# Altium PCB JS.Y1813.PW.V10.PcbDoc
Units mil, origin at the board's own origin, x right, y up, seen from the top; angles counter-clockwise.
Board outline 4024 x 3169.29 mil, 2 copper layers (Top Layer, Bottom Layer); 23 components, 14 nets, 71 pads, 10 vias.
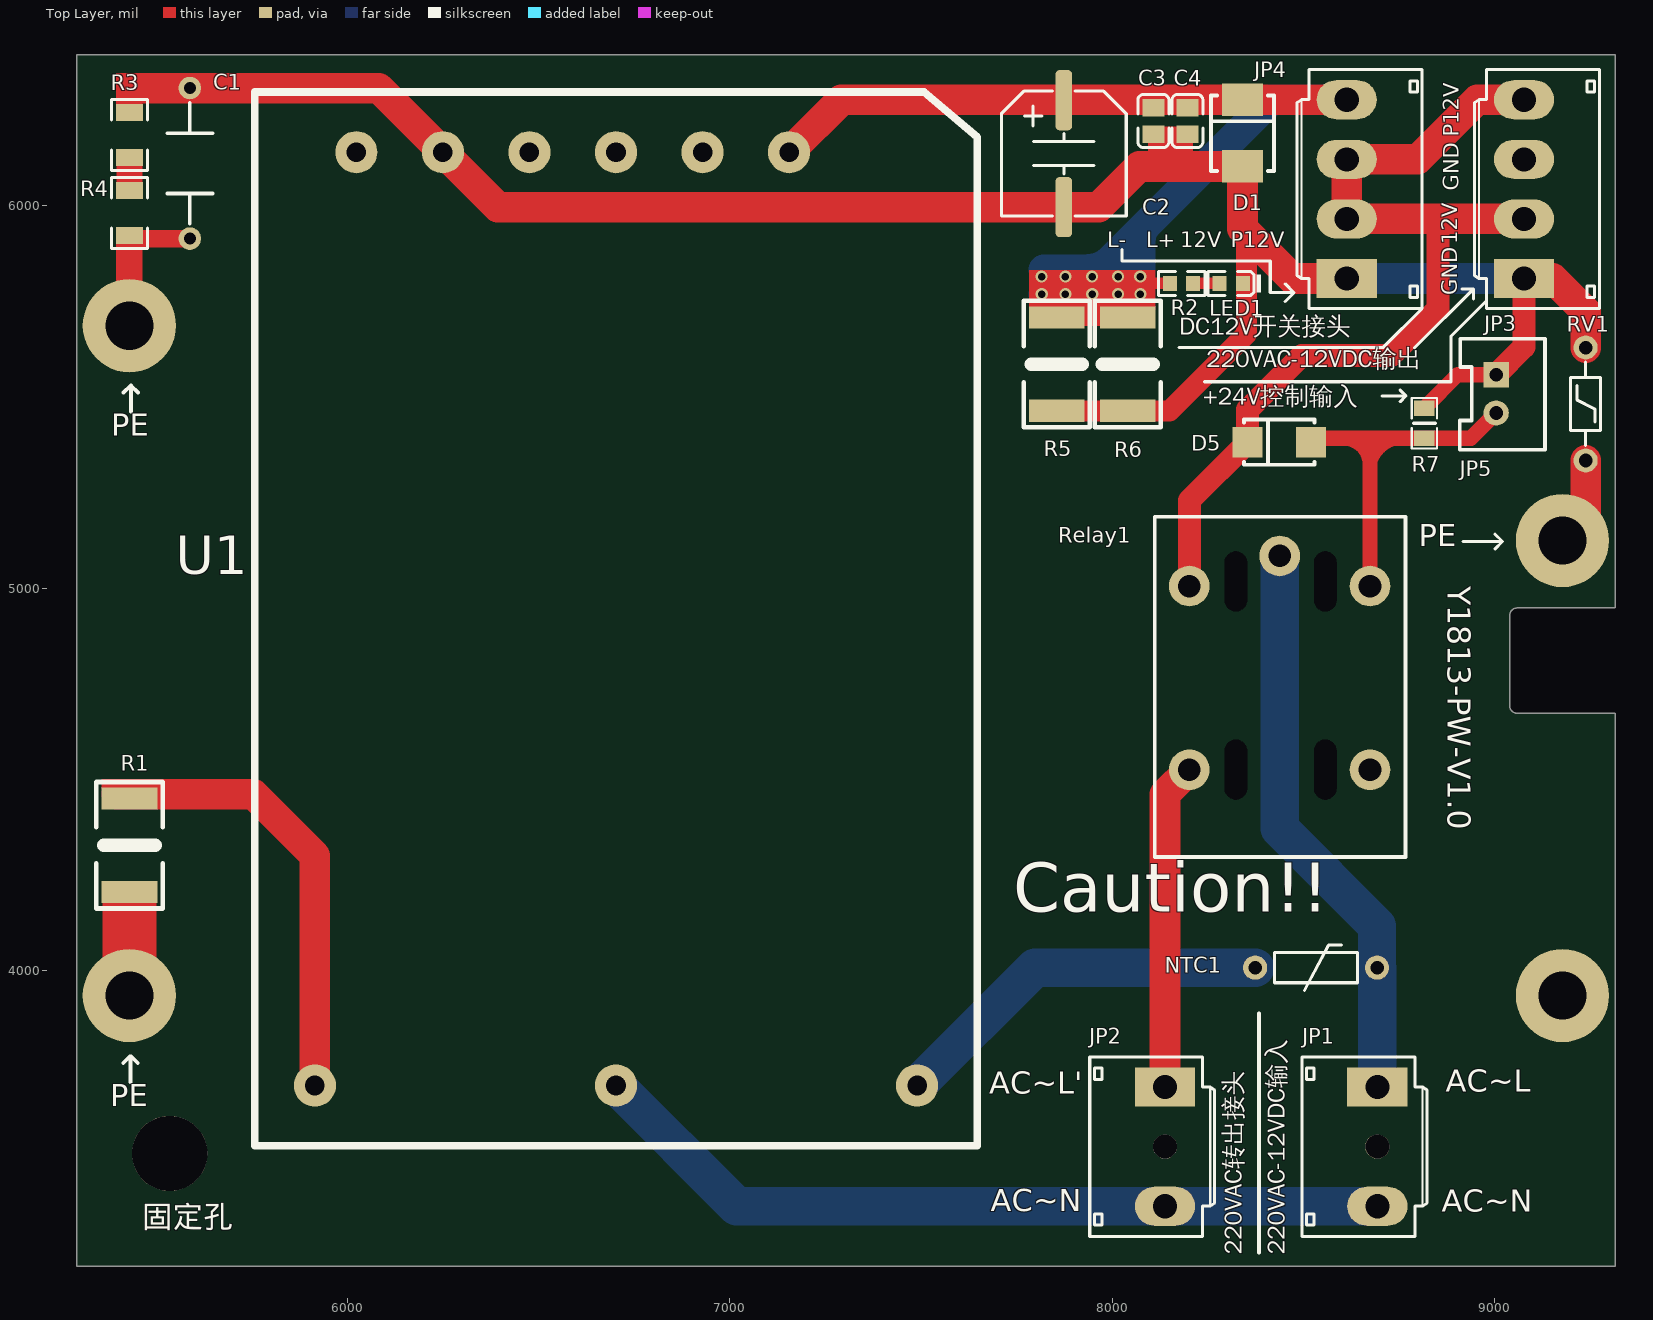
[diagram p0: Top Layer view]
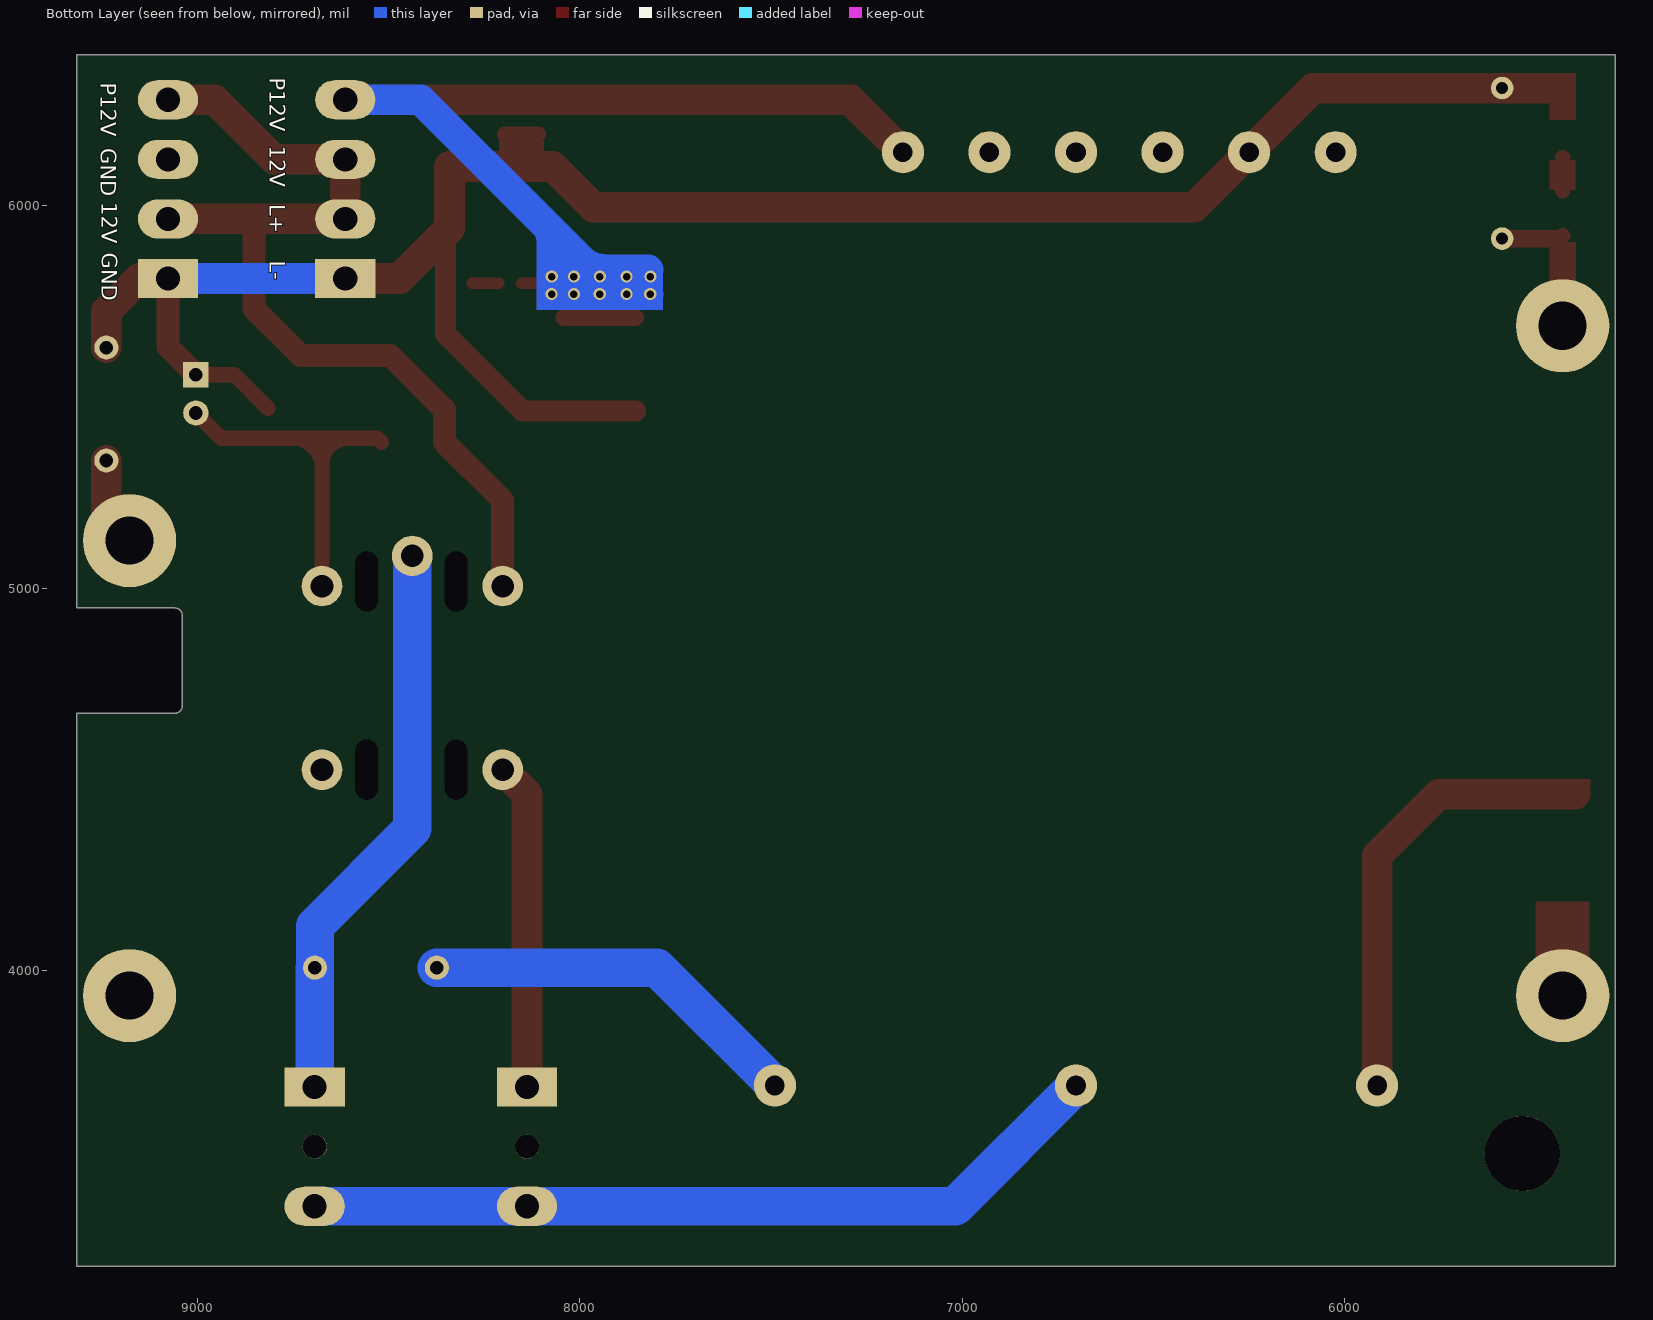
[diagram p1: Bottom Layer view, seen from below]

## Layer stack, top to bottom
Top Solder: solder mask 0.4, Solder Resist, Dk 3.5
Top Layer: signal copper 1.4
Dielectric 1: dielectric 12.6, FR-4, Dk 4.8
Bottom Layer: signal copper 1.4
Bottom Solder: solder mask 0.4, Solder Resist, Dk 3.5

## Board outline
5291.42,3226 5291.42,6395.29 9315.04,6395.29 9315.04,4948.44 9059.13,4948.44 ccw(c9059.13,4928.76) 9039.45,4928.76 9039.45,4692.54 ccw(c9059.13,4692.54) 9059.13,4672.85 9315.42,4672.85 9315.42,3226

## Design rules (kind name [scope] priority, off if disabled: settings)
Clearance [All] p1: gap=10
HoleSize [All] p1: absolutevalues=TRUE maxlimit=200 minlimit=1 maxpercent=80.000 minpercent=20.000
PolygonConnect [All] p1: connectstyle=Relief reliefconductorwidth=10 reliefentries=4 polygonreliefangle="90 Angle" airgapwidth=10
RoutingVias [All] p1: holewidth=28 width=50 viastyle="Through Hole" minholewidth=28 minwidth=50 maxholewidth=28 maxwidth=50
SilkToSilkClearance [All] p1: silktosilkclearance=4
SilkToSolderMaskClearance [IsPad] p1: minsilkscreentomaskgap=1 clearancetoexposedcopper=TRUE
SolderMaskExpansion [All] p1: expansion=4
Width [All] p1: maxlimit=100 minlimit=6 preferedwidth=10
27 further rules are at their usual default settings.

## Components (designator, comment, footprint, x,y, rotation, side; value= is the part's Value field where it differs from the comment)
C1 "220pF" RCC-DE1B3-ANGUI 5587.23,6111.28 r270 top
C2 "330uF ±20% 25V" RCC-AL-EC-8*10-TH 7873.02,6136.63 r90 top
C3 "1nF (102) 10% 50V" LC-0805_C 8107.42,6221.96 r90 top
C4 "100nF(104) 10% 50V" LC-0805_C 8196.42,6221.96 r270 top
D1 "SMBJ20A" LC-SMB(DO-214AA)_S1 8340.42,6189.99 r270 top
D5 "US1M" LC-SMA(DO-214AC)_S1 8436.51,5381.85 r0 top
JP1 "AC Input Connector" RCJ3.96-3CA-Isolate 8693.06,3695.37 r90 top
JP2 "AC Output Connector" RCJ3.96-3CA-Isolate 8137.79,3695.37 r90 top
JP3 "To Mtrl Connector" RCJ3.96-4CA 9076.85,5809.91 r270 top
JP4 "PowerSwitch Connector" RCJ3.96-4CA 8613.06,5809.91 r270 top
JP5 "PWR24V_CTRL_Interface" RCJ-XH2.54-2P 9003.81,5508.26 r90 top
LED1 "PWR_LED" LC-0603_LED_S1 8311,5797 r180 top
NTC1 "10D-9" RCR-NTC-10d-9 8532.98,4007.48 r180 top
R1 "NC" RCR2512TH#1 5429.4,4205.63 r90 top
R2 "10KΩ (1002) ±1%" LC-0603_R 8181.31,5797 r0 top
R3 "1.2MΩ (1204) ±1%" LC-1206_R 5428.98,6185 r270 top
R4 "1.2MΩ (1204) ±1%" LC-1206_R 5428.98,5981 r270 top
R5 "470Ω±1%" RCR2512TH#2 7854.42,5434.02 r90 top
R6 "470Ω±1%" RCR2512TH#3 8060.42,5464.02 r90 top
R7 "NC" RCR0805TH 8815.94,5392.26 r90 top
Relay1 "G5LE-14-DC12V" RCRELAY-G5LE-14 8437.73,5084.37 r270 top
RV1 "10D180K" RCRV-10DXXXK 9237.88,5481.67 r90 top
U1 "LH25-10B12" RCPM-LH20-25-MORNSUN 6701.85,4919.78 r90 top

## Footprints (in the part's own frame and the unit in brackets; to place one, negate y for a bottom-side part, rotate by r counter-clockwise, add the part's x,y. Pads: shape width x height; smd on the part's side, far side on the other; paste and mask are expansions set on the pad)
LC-0603_LED_S1 [mm]
  rect 0.93x0.98 smd: A(0.77,0) K(-0.77,0)
  silkscreen extent -1.98,-0.79 1.54,0.79, body extent -0.8,-0.4 0.8,0.4, height 0.6
LC-0603_R [mm]
  rect 0.93x0.98 smd: 1(-0.77,0) 2(0.77,0)
  silkscreen extent -1.53,-0.79 1.54,0.79, body extent -0.85,-0.4 0.85,0.4, height 0.56
LC-0805_C [mm]
  rect 1.16x1.47 smd: 1(-0.89,0) 2(0.89,0)
  silkscreen extent -1.77,-1.04 1.77,1.04, body extent -1,-0.62 1,0.63, height 0.77
LC-1206_R [mm]
  rect 1.13x1.8 smd: 1(-1.49,0) 2(1.49,0)
  silkscreen extent -2.36,-1.2 2.35,1.2, body extent -1.7,-0.86 1.65,0.87, height 0.85
LC-SMA(DO-214AC)_S1 [mm]
  rect 2x2 smd: 1(2.1,0) 2(-2.1,0)
  silkscreen extent -2.35,-1.5 2.35,1.5
LC-SMB(DO-214AA)_S1 [mil]
  rect 85x107.99 smd: 1(87.01,0) 2(-87.01,0)
  silkscreen extent -98,-83 98,83
RCC-AL-EC-8*10-TH [mm] "贴片铝电解电容 D8mm*H10mm"
  rrect50% 4x1.1 smd: 1(3.55,0) 2(-3.55,0)
  silkscreen extent -4.15,-4.15 4.15,4.15, body extent -4.15,-4.15 4.15,4.15, height 10
RCC-DE1B3-ANGUI [mm] "安规电容 Murata"
  round 1.5 hole 0.8: 1(-5,0) 2(5,0)
  silkscreen extent -4,-1.5 4,1.5, body extent -4,-1.52 4,1.55, height 8
RCJ3.96-3CA-Isolate [mm]
  rect 2.6x4 hole 1.6: 1(0,0)
  round 1.6 hole 1.6 unplated: 2(-3.96,0)
  oval 2.6x4 hole 1.6: 3(-7.92,0)
  silkscreen extent -9.92,-3.3 2,5
RCJ3.96-4CA [mm]
  rect 2.6x4 hole 1.6: 1(0,0)
  oval 2.6x4 hole 1.6: 2(-3.96,0) 3(-7.92,0) 4(-11.88,0)
  silkscreen extent -13.88,-3.3 2,5
RCJ-XH2.54-2P [mil]
  rect 66x66 hole 36: 1(50,0)
  round 66 hole 36: 2(-50,0)
  silkscreen extent -146,-128 144,95, body extent -149,-136 147,92, height 118
RCPM-LH20-25-MORNSUN [mm]
  round 2.8 hole 1.3: 1(-31,20) 2(-31,0) 3(-31,-20) 4(31,11.5) 5(31,5.75) 6(31,0) 7(31,-5.75) 8(31,-11.5) Trim(31,17.25)
  silkscreen extent -35,-24 35,24, body extent -35,-24 35,24, height 23.5
RCR0805TH [mil]
  rect 40x54 smd: 1(0,0) 2(78.74,0)
  silkscreen extent -27,-33 106,33
RCR2512TH#1 [mil]
  rect 58x146 smd: 1(0,0) 2(244.09,0)
  silkscreen extent -43,-87 287,87
RCR2512TH#2 [mil]
  rect 58x146 smd: 1(30,0) 2(274.09,0)
  silkscreen extent -13,-87 317,87
RCR2512TH#3 [mil]
  rect 58x146 smd: 1(0,20) 2(244.09,20)
  silkscreen extent -43,-67 287,107
RCR-NTC-10d-9 [mm] "NTC D9 Series"
  round 1.6 hole 0.9: 1(-4.05,0) 2(4.05,0)
  silkscreen extent -2.75,-1.5 2.75,1.52, body extent -4.95,-1.73 4.95,1.75, height 5.2
RCRELAY-G5LE-14 [mm] "Ormon Relay"
  round 2.7 hole 1.5: 1(0,0) 2(2,-6) 3(14.2,-6) 4(14.2,6) 5(2,6)
  silkscreen extent -2.6,-8.3 20,8.36, body extent -2.61,-8.3 20,8.35, height 18.5
RCRV-10DXXXK [mm] "Metal Oxide Varistors 10D Series(RUILON(瑞隆源)"
  round 1.6 hole 0.9: 1(-3.75,0) 2(3.75,0)
  silkscreen extent -2.76,-1 2.78,1

## Part data
C1: library part Cap_Nonpolar, "无极性电容"
C2: library part Cap_polar, "有极性电容"
C3: library part "0805 1nF (102) 10% 50V", "贴片电容"
C4: library part "0805 100nF(104) 10% 50V", "贴片电容"
D1: library part DiodeA, "Zener,Tvs"
D5: library part "SMA(DO-214AC) US1M", "二极管"
JP1 JP2: library part JCJ-1-3, "3 Pin 接插件"
JP3 JP4: library part "Header 4", "Header, 4-Pin"
JP5: library part "Header 2", "Header, 2-Pin"
LED1: library part LEDA
NTC1: library part NTC, "NTC 浪涌抑制"
R1: library part Res_Single_Lead
R2 R7: library part "0603 10KΩ (1002) 1%", "贴片电阻"
R3 R4 R5 R6: library part "1206 1.2MΩ (1204) 1%", "贴片电阻"
Relay1: library part G5LE, "Relay"
RV1: library part RV, "压敏电阻 浪涌抑制"
U1: library part LH20(25), "Mornsun 20(25)W AC-DC模块电源"

## Free pads (board coordinates)
  round 244.09 hole 125.98: 0(5429.21,3934.66) 0(5429.21,5686.63) 0(9177.25,3934.66) 0(9177.25,5124.66)
  round 196.85 hole 196.85 unplated: 0(5534.57,3521.65)
  round 0 hole 59.06 slot 157.48 at 90 deg: 0(8322.98,4525.31) 0(8322.98,5018) 0(8556.98,4525.31) 0(8556.98,5018)

## Via types
v1: diameter 31.5, hole 19.68, Top Layer to Bottom Layer, tented both sides, 10 vias

## Nets (pads, with @x,y where several pads share a name; then routed paths per layer and width w, separated by ;. In a path a pad name is that pad's centre, name@x,y a point inside that pad or via, vN(x,y) a via of type N, cw(c..) or ccw(c..) an arc to the next point about the centre after c; other vN are vias at no path point)
AC~L: JP1.1 NTC1.1 Relay1.1 | length 1494.8
  Bottom Layer w100: Relay1.1 8437.73,4371.24 8692.43,4116.55 NTC1.1 8693.06,4006.84 JP1.1
AC~L': JP2.1 Relay1.3 | length 856.3
  Top Layer w80: JP2.1 8137.79,4461.59 Relay1.3
AC~N: JP1.3 JP2.3 U1.2 | length 2122
  Bottom Layer w100: U1.2 7017.6,3383.56 JP2.3 JP1.3
GND: C1.1 C2.2 C3.1 C4.2 D1.1 JP3.1 JP4.1 JP5.1 LED1.K R3.1 R5.1 R6.1 R7.2 RV1.2 U1.4 | length 5940.4
  Top Layer w40: C2.2 C2.2@7873.08,5996.8 ; C3.1 C4.2 ; R7.2 8903.2,5558.26 JP5.1
  Top Layer w55: R5.1 R6.1 8150.02,5464.02 8351,5665 8351,5930 8351,6092.4 D1.1
  Top Layer w60: JP5.1 9076.85,5631.3 JP3.1
  Top Layer w80: 5434.42,6308.13 C1.1 6081.22,6308.13 U1.4 6392.48,5996.87 C2.2 7964.28,5996.87 8070.4,6102.98 D1.1 8340.42,5940.58 8351,5930 8471.09,5809.91 JP4.1 ; JP3.1 9152.09,5809.91 9237.88,5724.12 RV1.2
  Bottom Layer w80: JP4.1 JP3.1
NetLED1_A: LED1.A R2.2 | length 69.1
  Top Layer w30: R2.2 LED1.A
NetNTC1_2: NTC1.2 U1.3 | length 1011.9
  Bottom Layer w100: U1.3 7797.43,4007.48 NTC1.2
NetR1_2: R1.2 U1.1 | length 1205.7
  Top Layer w60: U1.1@5914.45,3679.31 U1.1
  Top Layer w80: R1.2@5396.42,4461 5753.98,4461 5914.45,4300.53 U1.1
NetR3_2: R3.2 R4.1 | length 86.7
  Top Layer w40: R4.1 R3.2
PEGNDA: pad.0@5429.21,3934.66 R1.1
PEGNDB: C1.2 pad.0@5429.21,5686.63 R4.2 | length 161.5
  Top Layer w40: R4.2 5436.89,5914.42 C1.2
PEGNDC: pad.0@9177.25,5124.66 RV1.1 | length 234.5
  Top Layer w80: pad.0@9177.25,5124.66 9237.88,5185.29 RV1.1
PW_+12V: C2.1 C3.2 C4.1 D1.2 JP4.4 R2.1 R5.2 R6.2 U1.8 | length 3191.4
  Top Layer w30: 8094,5795 8096,5797 R2.1
  Top Layer w45: R5.2 R6.2
  Top Layer w80: U1.8 7291.36,6277 D1.2 8612.43,6277 JP4.4
  Bottom Layer w70: v1(7815.42,5769) v1(7877.42,5769) v1(7947.42,5769) v1(8015.42,5769) v1(8073.42,5769)
  Bottom Layer w80: 7821,5833 7930,5833 ccw(c7930,5933) 8000.71,5862.29 ; v1@7947.42,5809 8000.71,5862.29 ; 8073,5832 8073,5907.43 cw(c8138.55,5907.43) 8092.18,5953.76 ; JP4.4 8416.05,6277.63 8092.2,5953.78 ; 8000.71,5862.29 8092.18,5953.76
  other v1: 7815,5815 7877,5815 7947,5815 8015,5815 8073,5815
PWR24V_CTRL: D5.1 JP5.2 R7.1 Relay1.5 | length 1152.2
  Top Layer w25: 8610,5385 cw(c8605,5323) 8667,5318 ; 8672,5307 cw(c8734,5302) 8673.95,5318.23 ; 8679,5272 cw(c8764.5,5299.5) 8737,5385
  Top Layer w40: D5.1 8529.6,5392.26 R7.1 8937.81,5392.26 JP5.2 ; Relay1.5 8673.95,5318.23 8673.95,5391.31
VCC_+12V: D5.2 JP3.2 JP3.4 JP4.2 JP4.3 Relay1.2 | length 2514.8
  Top Layer w60: Relay1.2 8201.51,5229.53 D5.2 8353.84,5466.84 8496,5609 8730,5609 8852,5731 8852,5965.82
  Top Layer w80: JP3.2 8852,5965.82 JP4.2 JP4.3 8798.72,6121.73 8954.63,6277.63 JP3.4
pads on no net: JP1.2 JP2.2 JP3.3 Relay1.4 U1.5 U1.6 U1.7 U1.Trim

## Other copper
Top Layer:
  rectangle net PW_+12V: 7781.42,5728 8113.42,5832
  rectangle net PEGNDB: 5428.42,5891 5569.42,5937
  rectangle net GND: 5394.42,6224 5463.42,6348
  rectangle net NetR3_2: 5395.42,6042 5463.42,6120
  rectangle net PEGNDB: 5394.42,5771 5463.42,5905
  rectangle net PEGNDA: 5359.42,4007 5499.42,4181
  rectangle net GND: 8093.42,6130 8210.42,6169
  rectangle net NetR1_2: 5356.42,4476 5407.42,4501
Bottom Layer:
  rectangle net PW_+12V: 7781.42,5728 8113.42,5832
  rectangle net PW_+12V: 8019,5819 8042,5848

## Silkscreen, mask and mechanical layers (free items; w line width, h text height)
Top Overlay:
  lines w8: 8025,5886 8025,5856 8413,5856 8413,5773 8475,5773 ; 8174,5630 8708.73,5630 8809.91,5731.17 ; 8241,5540 8886,5540 8886,5546 8886,5659 8978,5751 ; 8452,5750 8475,5773 ; 8452,5796 8475,5773 ; 8706,5503 8768,5503 ; 8753,5488 8768,5503 ; 8753,5518 8768,5503 ; 8790,5628 8945,5783 ; 8914,5783 8945,5783 ; 8917.42,5122 9020.42,5122 ; 8945,5756 8945,5783 ; 9000.42,5102 9020.42,5122 ; 9000.42,5142 9020.42,5122
  lines w10: 5412.98,3758 5431.98,3776 ; 5413.98,5512 5432.98,5530 ; 5431.98,3708 5431.98,3776 ; 5432.98,5462 5432.98,5530 ; 5450.98,3758 5431.98,3776 ; 5451.98,5512 5432.98,5530 ; 8383.98,3262 8383.98,3888
  text "P12V" at 8905.42,6181 h40 r90
  text "GND" at 8905.42,6040 h40 r90
  text "12V" at 8902.42,5899 h40 r90
  text "L-" at 7987,5892 h40
  text "L+" at 8089.33,5892 h40
  text "12V" at 8177.67,5892 h40
  text "P12V" at 8310,5892 h40
  text "GND" at 8902.42,5766 h40 r90
  text "DC12V开关接头" at 8175,5647 h80
  text "220VAC-12VDC输出" at 8245,5562 h80
  text "+24V控制输入" at 8238,5464 h80
  text "PE" at 5381.98,5379 h100
  text "PE" at 8801,5090 h100
  text "Y1813-PW-V1.0" at 8877,5005 h60 r270
  text "Caution!!" at 7740.98,4112 h220
  text "AC~L" at 8871.98,3663 h100
  text "AC~L'" at 7677.98,3658 h100
  text "PE" at 5378.98,3626 h100
  text "AC~N" at 7681.98,3351 h100
  text "AC~N" at 8860.98,3350 h100
  text "固定孔" at 5462.42,3308 h100
  text "220VAC转出接头" at 8353.98,3257 h80 r90
  text "220VAC-12VDC输入" at 8466.98,3257 h80 r90
Bottom Overlay:
  text "P12V" at 8810,6335 h40 r90
  text "P12V" at 9252.42,6322 h40 r90
  text "12V" at 8810,6157 h40 r90
  text "GND" at 9252.42,6151 h40 r90
  text "12V" at 9249.42,6010 h40 r90
  text "L+" at 8810,6004 h40 r90
  text "GND" at 9249.42,5877 h40 r90
  text "L-" at 8810,5857 h40 r90
Mechanical 1:
  lines w8: 5291.42,3226 5291.42,6395.29 9315.04,6395.29 9315.04,4948.44 9203.42,4948.44 9059.13,4948.44 ccw(c9059.13,4928.76) 9039.45,4928.76 9039.45,4692.54 ccw(c9059.13,4692.54) 9059.13,4672.85 9212.42,4672.85 9315.42,4672.85 9315.42,3226 9315.04,3226 5291.42,3226
Mechanical 15:
  circle w6: c9177.25,3934.66 r279.53
  circle w6: c8437.73,5084.37 r211.73
  circle w6: c5429.21,5686.63 r295.28
  circle w6: c9177.25,5124.66 r295.28
  circle w6: c5429.21,3934.66 r295.28
  circle w6: c9177.25,3934.66 r137.8
  circle w6: c9177.25,5124.66 r137.8
  circle w6: c5429.21,5686.63 r137.8
  circle w6: c5429.21,3934.66 r137.8
  lines w6: 8201.98,4951 8743.98,4951 ; 8230.03,4906.63 8230.03,5218.63 ; 8644.99,4846.63 8644.99,5224.63
  lines w10: 5201.42,3286 5221.42,3226 ; 5201.42,6335.29 5221.42,6395.29 ; 5211.42,3226 5231.42,3226 ; 5211.42,6395.29 5231.42,6395.29 ; 5221.42,4424.77 5221.42,3226 ; 5221.42,5196.53 5221.42,6395.29 ; 5241.42,3286 5221.42,3226 ; 5241.42,6335.29 5221.42,6395.29 ; 5291.42,6495.29 5291.42,6515.29 ; 5351.42,6485.29 5291.42,6505.29 ; 5351.42,6525.29 5291.42,6505.29 ; 6907.35,6505.29 5291.42,6505.29 ; 7699.11,6505.29 9315.04,6505.29 ; 9255.04,6485.29 9315.04,6505.29 ; 9255.04,6525.29 9315.04,6505.29 ; 9315.04,6495.29 9315.04,6515.29
  lines w20: 5063.07,2686.63 9492.21,2686.63 9492.21,6946.47 9319.51,6946.47 5480.51,6946.47 5063.07,6946.47 5063.07,2686.63
  text "4023.622 (mil)" at 6917.35,6469.3 h60
  text "3169.291 (mil)" at 5257.41,4434.77 h60 r90
  text "24V Switch Power Fixed Hole" at 5202,3058 h60